# Altium PCB HYDRA_V4_RECOVERY.PcbDoc (part 1 of 2) (continued)
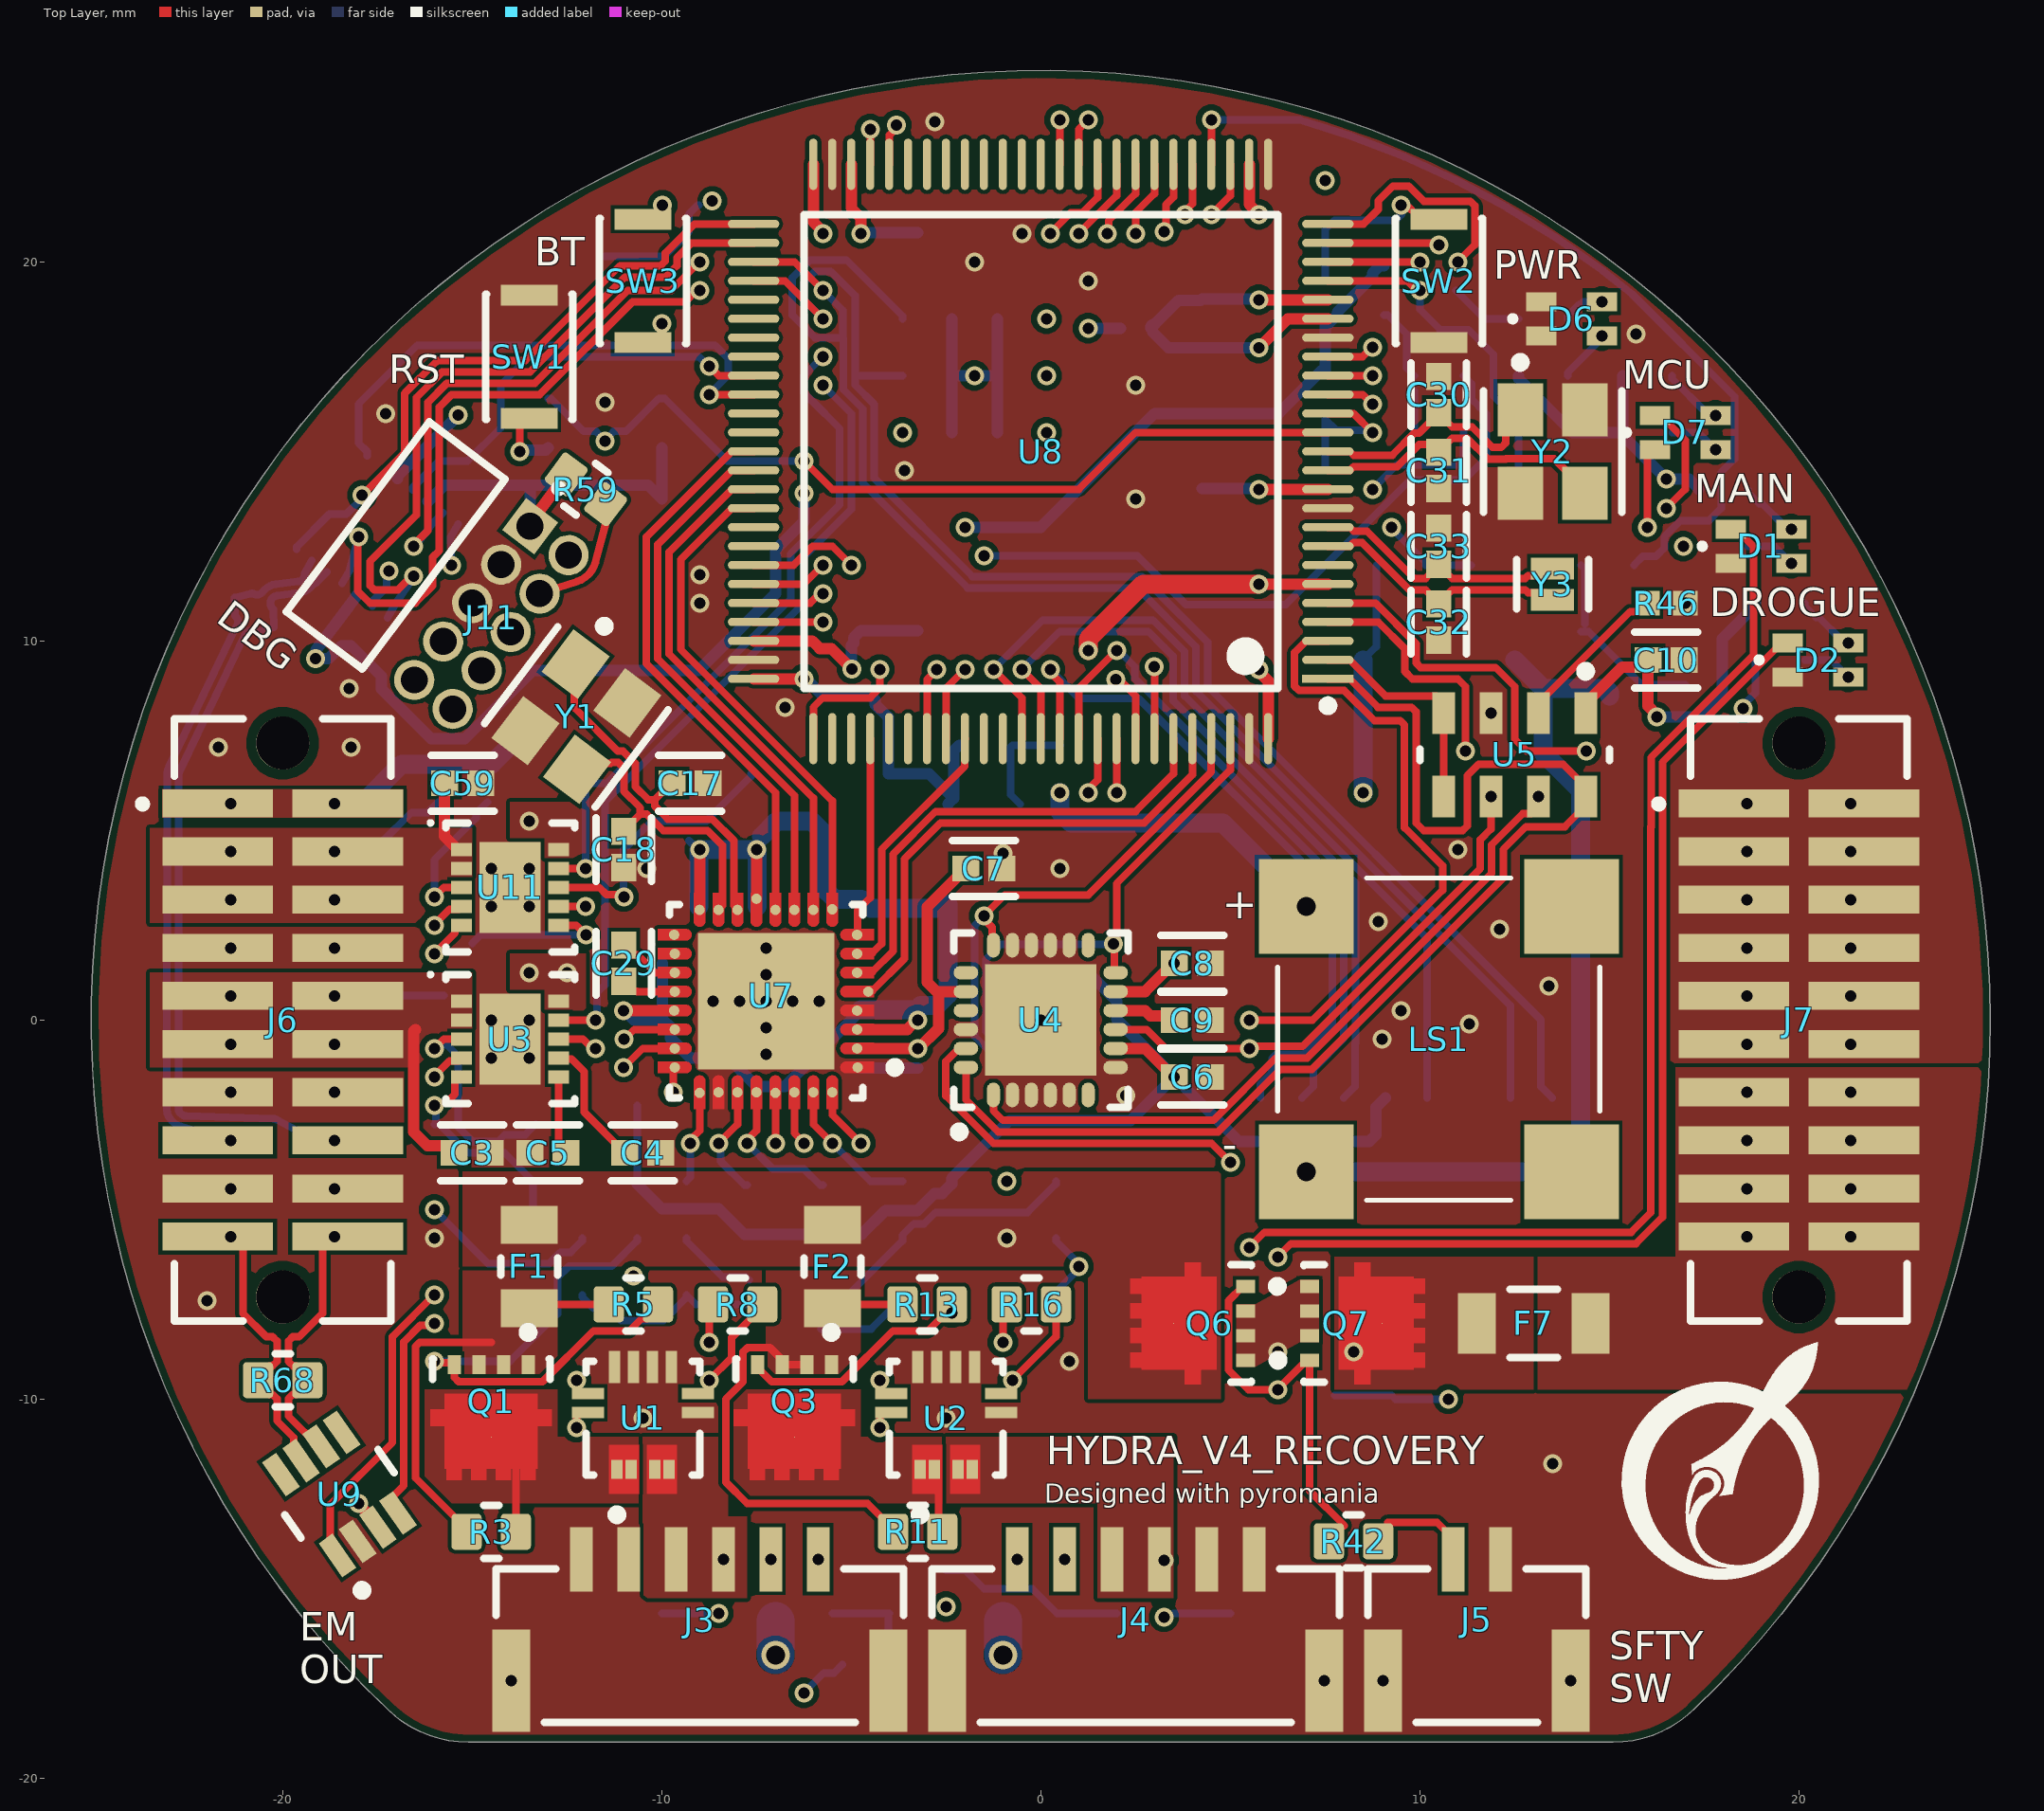
[diagram p0: Top Layer view]
## Footprints (in the part's own frame and the unit in brackets; to place one, negate y for a bottom-side part, rotate by r counter-clockwise, add the part's x,y. Pads: shape width x height; smd on the part's side, far side on the other; paste and mask are expansions set on the pad)
ALEG-EX-12_V [mm] "QFN, 12-Leads, Body 3x3mm, Height 0.8mm"
  rect 0.5x0.3 smd paste-0.5 mask-0.5: 1(-1.348,0.682) 2(-1.348,0.301) 3(-1.348,-0.318) 4(-1.348,-0.699)
  rect 0.3x0.85 smd: 5(0.148,-1.45) 6(0.648,-1.45) 11(0.648,1.45) 12(0.148,1.45)
  rect 0.85x0.3 smd: 7(1.348,-0.75) 8(1.348,-0.25) 9(1.348,0.25) 10(1.348,0.75)
  Top Layer region: -2.002,0.1 -0.702,0.1 -0.702,0.9 -2.002,0.9
  Top Layer region: -2.002,-0.9 -0.702,-0.9 -0.702,-0.1 -2.002,-0.1
  silkscreen extent -2.68,-1.5 1.5,1.5, body extent -1.5,-1.5 1.5,1.5, height 0.81
CMT-8504-100-SMT-TR-Footprint-1 [mm]
  rect 2.5x2.5 smd: 1(3.5,3.5) 2(3.5,-3.5) N(-3.5,-3.5) P(-3.5,3.5)
  silkscreen extent -4.25,-4.25 4.25,4.25, body extent -4.25,-4.28 4.28,4.25, height 4
DIOD-SOT323-3_V [mm] "SOT323, 3-Leads, Body 2.2x1.35mm, Pitch 0.65mm"
  rect 0.9x0.7 smd: 1(-0.95,0.65) 2(-0.95,-0.65) 3(0.95,0)
  silkscreen extent -1.07,-1.1 0.67,1.67, body extent -1.1,-1.1 1.1,1.1, height 1.07
FP-0402-L_1_0_0_05-W_0_5-IPC_A [mm]
  rect 0.715x0.672 smd paste+0 mask+0: 1(-0.479,0) 2(0.479,0)
  silkscreen extent -0.84,-0.74 0.84,0.74, body extent -0.5,-0.25 0.5,0.25, height 0.55
FP-0603L-MFG [mm]
  rect 1x1 smd paste+0 mask+0: 1(-0.9,0) 2(0.9,0)
  silkscreen extent -0.03,-0.5 0.03,0.5, body extent -0.8,-0.4 0.8,0.4, height 0.75
FP-ABM8G-MFG [mm]
  rect 1.4x1.2 smd paste+0 mask+0: 1(-1.1,-0.85) 2(1.1,-0.85) 3(1.1,0.85) 4(-1.1,0.85)
  silkscreen extent -2.47,-1.83 1.6,1.83, body extent -1.9,-1.55 1.9,1.55, height 0.25
FP-BLM15-0_05-MFG [mm]
  rect 0.4x0.5 smd paste+0 mask+0: 1(-0.4,0) 2(0.4,0)
  silkscreen extent -0.53,-0.63 0.52,0.63, body extent -0.5,-0.25 0.5,0.25, height 0.55
FP-CP-32-12-MFG [mm]
  round 0.274 smd paste+0 mask+0: 1(-2.421,1.75) 2(-2.405,1.25) 3(-2.405,0.75) 4(-2.405,0.25) 5(-2.698,-0.25) 6(-2.405,-0.75) 7(-2.405,-1.25) 8(-2.405,-1.75) 9(-1.75,-2.421) 10(-1.25,-2.405) 11(-0.75,-2.405) 12(-0.25,-2.405) 13(0.25,-2.698) 14(0.75,-2.405) 15(1.25,-2.405) 16(1.75,-2.405) 17(2.421,-1.75) 18(2.405,-1.25) 19(2.405,-0.75) 20(2.405,-0.25) 21(2.421,0.25) 22(2.405,0.75) 23(2.405,1.25) 24(2.405,1.75) 25(1.75,2.421) 26(1.25,2.405) 27(0.75,2.405) 28(0.25,2.405) 29(-0.25,2.421) 30(-0.75,2.405) 31(-1.25,2.405) 32(-1.75,2.405)
  rect 3.6x3.6 smd paste-1000 mask+0: 33(0,0)
  Top Layer region: -2.85,1.902 -2.113,1.902 -2.055,1.89 -2.006,1.857 -1.973,1.808 -1.961,1.75 -1.961,1.75 -1.973,1.692 -2.006,1.643 -2.055,1.61 -2.113,1.598 -2.113,1.598 -2.85,1.598
  Top Layer region: -2.85,1.402 -2.113,1.402 -2.055,1.39 -2.006,1.357 -1.973,1.308 -1.961,1.25 -1.961,1.25 -1.973,1.192 -2.006,1.143 -2.055,1.11 -2.113,1.098 -2.113,1.098 -2.85,1.098
  Top Layer region: -2.85,0.902 -2.113,0.902 -2.055,0.89 -2.006,0.857 -1.973,0.808 -1.961,0.75 -1.961,0.75 -1.973,0.692 -2.006,0.643 -2.055,0.61 -2.113,0.598 -2.113,0.598 -2.85,0.598
  Top Layer region: -2.85,0.402 -2.113,0.402 -2.055,0.39 -2.006,0.357 -1.973,0.308 -1.961,0.25 -1.961,0.25 -1.973,0.192 -2.006,0.143 -2.055,0.11 -2.113,0.098 -2.113,0.098 -2.85,0.098
  Top Layer region: -2.85,-0.098 -2.113,-0.098 -2.055,-0.11 -2.006,-0.143 -1.973,-0.192 -1.961,-0.25 -1.961,-0.25 -1.973,-0.308 -2.006,-0.357 -2.055,-0.39 -2.113,-0.402 -2.113,-0.402 -2.85,-0.402
  Top Layer region: -2.85,-0.598 -2.113,-0.598 -2.055,-0.61 -2.006,-0.643 -1.973,-0.692 -1.961,-0.75 -1.961,-0.75 -1.973,-0.808 -2.006,-0.857 -2.055,-0.89 -2.113,-0.902 -2.113,-0.902 -2.85,-0.902
  Top Layer region: -2.85,-1.098 -2.113,-1.098 -2.055,-1.11 -2.006,-1.143 -1.973,-1.192 -1.961,-1.25 -1.961,-1.25 -1.973,-1.308 -2.006,-1.357 -2.055,-1.39 -2.113,-1.402 -2.113,-1.402 -2.85,-1.402
  Top Layer region: -2.85,-1.598 -2.113,-1.598 -2.055,-1.61 -2.006,-1.643 -1.973,-1.692 -1.961,-1.75 -1.961,-1.75 -1.973,-1.808 -2.006,-1.857 -2.055,-1.89 -2.113,-1.902 -2.113,-1.902 -2.85,-1.902
  Top Layer region: 2.85,-1.902 2.113,-1.902 2.055,-1.89 2.006,-1.857 1.973,-1.808 1.961,-1.75 1.961,-1.75 1.973,-1.692 2.006,-1.643 2.055,-1.61 2.113,-1.598 2.113,-1.598 2.85,-1.598
  Top Layer region: 2.85,-1.402 2.113,-1.402 2.055,-1.39 2.006,-1.357 1.973,-1.308 1.961,-1.25 1.961,-1.25 1.973,-1.192 2.006,-1.143 2.055,-1.11 2.113,-1.098 2.113,-1.098 2.85,-1.098
  Top Layer region: 2.85,-0.902 2.113,-0.902 2.055,-0.89 2.006,-0.857 1.973,-0.808 1.961,-0.75 1.961,-0.75 1.973,-0.692 2.006,-0.643 2.055,-0.61 2.113,-0.598 2.113,-0.598 2.85,-0.598
  Top Layer region: 2.85,-0.402 2.113,-0.402 2.055,-0.39 2.006,-0.357 1.973,-0.308 1.961,-0.25 1.961,-0.25 1.973,-0.192 2.006,-0.143 2.055,-0.11 2.113,-0.098 2.113,-0.098 2.85,-0.098
  Top Layer region: 2.85,0.098 2.113,0.098 2.055,0.11 2.006,0.143 1.973,0.192 1.961,0.25 1.961,0.25 1.973,0.308 2.006,0.357 2.055,0.39 2.113,0.402 2.113,0.402 2.85,0.402
  Top Layer region: 2.85,0.598 2.113,0.598 2.055,0.61 2.006,0.643 1.973,0.692 1.961,0.75 1.961,0.75 1.973,0.808 2.006,0.857 2.055,0.89 2.113,0.902 2.113,0.902 2.85,0.902
  Top Layer region: 2.85,1.098 2.113,1.098 2.055,1.11 2.006,1.143 1.973,1.192 1.961,1.25 1.961,1.25 1.973,1.308 2.006,1.357 2.055,1.39 2.113,1.402 2.113,1.402 2.85,1.402
  Top Layer region: 2.85,1.598 2.113,1.598 2.055,1.61 2.006,1.643 1.973,1.692 1.961,1.75 1.961,1.75 1.973,1.808 2.006,1.857 2.055,1.89 2.113,1.902 2.113,1.902 2.85,1.902
  Top Layer region: -1.902,-2.85 -1.902,-2.113 -1.89,-2.055 -1.857,-2.006 -1.808,-1.973 -1.75,-1.961 -1.75,-1.961 -1.692,-1.973 -1.643,-2.006 -1.61,-2.055 -1.598,-2.113 -1.598,-2.113 -1.598,-2.85
  Top Layer region: -1.402,-2.85 -1.402,-2.113 -1.39,-2.055 -1.357,-2.006 -1.308,-1.973 -1.25,-1.961 -1.25,-1.961 -1.192,-1.973 -1.143,-2.006 -1.11,-2.055 -1.098,-2.113 -1.098,-2.113 -1.098,-2.85
  Top Layer region: -0.902,-2.85 -0.902,-2.113 -0.89,-2.055 -0.857,-2.006 -0.808,-1.973 -0.75,-1.961 -0.75,-1.961 -0.692,-1.973 -0.643,-2.006 -0.61,-2.055 -0.598,-2.113 -0.598,-2.113 -0.598,-2.85
  Top Layer region: -0.402,-2.85 -0.402,-2.113 -0.39,-2.055 -0.357,-2.006 -0.308,-1.973 -0.25,-1.961 -0.25,-1.961 -0.192,-1.973 -0.143,-2.006 -0.11,-2.055 -0.098,-2.113 -0.098,-2.113 -0.098,-2.85
  Top Layer region: 0.098,-2.85 0.098,-2.113 0.11,-2.055 0.143,-2.006 0.192,-1.973 0.25,-1.961 0.25,-1.961 0.308,-1.973 0.357,-2.006 0.39,-2.055 0.402,-2.113 0.402,-2.113 0.402,-2.85
  Top Layer region: 0.598,-2.85 0.598,-2.113 0.61,-2.055 0.643,-2.006 0.692,-1.973 0.75,-1.961 0.75,-1.961 0.808,-1.973 0.857,-2.006 0.89,-2.055 0.902,-2.113 0.902,-2.113 0.902,-2.85
  Top Layer region: 1.098,-2.85 1.098,-2.113 1.11,-2.055 1.143,-2.006 1.192,-1.973 1.25,-1.961 1.25,-1.961 1.308,-1.973 1.357,-2.006 1.39,-2.055 1.402,-2.113 1.402,-2.113 1.402,-2.85
  Top Layer region: 1.598,-2.85 1.598,-2.113 1.61,-2.055 1.643,-2.006 1.692,-1.973 1.75,-1.961 1.75,-1.961 1.808,-1.973 1.857,-2.006 1.89,-2.055 1.902,-2.113 1.902,-2.113 1.902,-2.85
  Top Layer region: 1.902,2.85 1.902,2.113 1.89,2.055 1.857,2.006 1.808,1.973 1.75,1.961 1.75,1.961 1.692,1.973 1.643,2.006 1.61,2.055 1.598,2.113 1.598,2.113 1.598,2.85
  Top Layer region: 1.402,2.85 1.402,2.113 1.39,2.055 1.357,2.006 1.308,1.973 1.25,1.961 1.25,1.961 1.192,1.973 1.143,2.006 1.11,2.055 1.098,2.113 1.098,2.113 1.098,2.85
  Top Layer region: 0.902,2.85 0.902,2.113 0.89,2.055 0.857,2.006 0.808,1.973 0.75,1.961 0.75,1.961 0.692,1.973 0.643,2.006 0.61,2.055 0.598,2.113 0.598,2.113 0.598,2.85
  Top Layer region: 0.402,2.85 0.402,2.113 0.39,2.055 0.357,2.006 0.308,1.973 0.25,1.961 0.25,1.961 0.192,1.973 0.143,2.006 0.11,2.055 0.098,2.113 0.098,2.113 0.098,2.85
  Top Layer region: -0.098,2.85 -0.098,2.113 -0.11,2.055 -0.143,2.006 -0.192,1.973 -0.25,1.961 -0.25,1.961 -0.308,1.973 -0.357,2.006 -0.39,2.055 -0.402,2.113 -0.402,2.113 -0.402,2.85
  Top Layer region: -0.598,2.85 -0.598,2.113 -0.61,2.055 -0.643,2.006 -0.692,1.973 -0.75,1.961 -0.75,1.961 -0.808,1.973 -0.857,2.006 -0.89,2.055 -0.902,2.113 -0.902,2.113 -0.902,2.85
  Top Layer region: -1.098,2.85 -1.098,2.113 -1.11,2.055 -1.143,2.006 -1.192,1.973 -1.25,1.961 -1.25,1.961 -1.308,1.973 -1.357,2.006 -1.39,2.055 -1.402,2.113 -1.402,2.113 -1.402,2.85
  Top Layer region: -1.598,2.85 -1.598,2.113 -1.61,2.055 -1.643,2.006 -1.692,1.973 -1.75,1.961 -1.75,1.961 -1.808,1.973 -1.857,2.006 -1.89,2.055 -1.902,2.113 -1.902,2.113 -1.902,2.85
  silkscreen extent -3.53,-2.55 2.55,2.55, body extent -2.95,-2.95 2.95,2.95, height 0.25
FP-DCN0008A-MFG [mm]
  rect 1.1x0.45 smd paste+0 mask+0: 1(-1.3,0.975) 2(-1.3,0.325) 3(-1.3,-0.325) 4(-1.3,-0.975) 5(1.3,-0.975) 6(1.3,-0.325) 7(1.3,0.325) 8(1.3,0.975)
  silkscreen extent -2.55,-1.5 0.38,1.5, body extent -1.95,-1.85 1.95,1.85, height 0.25
FP-ECX-1210-MFG [mm]
  rect 0.575x1.14 smd paste+0 mask+0: 1(-0.413,0) 2(0.413,0)
  silkscreen extent -0.65,-0.95 0.65,0.95, body extent -0.8,-0.67 0.8,0.67, height 0.25
FP-GRM188-0_1-e0_2_0_55-IPC_A [mm]
  rect 1.208x1.012 smd paste+0 mask+0: 1(-0.802,0) 2(0.802,0)
  silkscreen extent -1.41,-0.91 1.41,0.91, body extent -0.8,-0.4 0.8,0.4, height 0.9
FP-KXT331LHS-MFG [mm]
  rect 0.55x1.5 smd paste+0 mask+0: 1(-1.625,0) 2(1.625,0)
  silkscreen extent -1.65,-1.15 1.65,1.15, body extent -2,-1.25 2,1.25, height 0.25
FP-LQFP100-1L-IPC_C [mm]
  rect 1.355x0.212 smd paste+0 mask+0: 1(-7.575,6)
  rrect100% 1.355x0.212 smd paste+0 mask+0: 2(-7.575,5.5) 3(-7.575,5) 4(-7.575,4.5) 5(-7.575,4) 6(-7.575,3.5) 7(-7.575,3) 8(-7.575,2.5) 9(-7.575,2) 10(-7.575,1.5) 11(-7.575,1) 12(-7.575,0.5) 13(-7.575,0) 14(-7.575,-0.5) 15(-7.575,-1) 16(-7.575,-1.5) 17(-7.575,-2) 18(-7.575,-2.5) 19(-7.575,-3) 20(-7.575,-3.5) 21(-7.575,-4) 22(-7.575,-4.5) 23(-7.575,-5) 24(-7.575,-5.5) 25(-7.575,-6) 51(7.575,-6) 52(7.575,-5.5) 53(7.575,-5) 54(7.575,-4.5) 55(7.575,-4) 56(7.575,-3.5) 57(7.575,-3) 58(7.575,-2.5) 59(7.575,-2) 60(7.575,-1.5) 61(7.575,-1) 62(7.575,-0.5) 63(7.575,0) 64(7.575,0.5) 65(7.575,1) 66(7.575,1.5) 67(7.575,2) 68(7.575,2.5) 69(7.575,3) 70(7.575,3.5) 71(7.575,4) 72(7.575,4.5) 73(7.575,5) 74(7.575,5.5) 75(7.575,6)
  rrect100% 0.212x1.355 smd paste+0 mask+0: 26(-6,-7.575) 27(-5.5,-7.575) 28(-5,-7.575) 29(-4.5,-7.575) 30(-4,-7.575) 31(-3.5,-7.575) 32(-3,-7.575) 33(-2.5,-7.575) 34(-2,-7.575) 35(-1.5,-7.575) 36(-1,-7.575) 37(-0.5,-7.575) 38(0,-7.575) 39(0.5,-7.575) 40(1,-7.575) 41(1.5,-7.575) 42(2,-7.575) 43(2.5,-7.575) 44(3,-7.575) 45(3.5,-7.575) 46(4,-7.575) 47(4.5,-7.575) 48(5,-7.575) 49(5.5,-7.575) 50(6,-7.575) 76(6,7.575) 77(5.5,7.575) 78(5,7.575) 79(4.5,7.575) 80(4,7.575) 81(3.5,7.575) 82(3,7.575) 83(2.5,7.575) 84(2,7.575) 85(1.5,7.575) 86(1,7.575) 87(0.5,7.575) 88(0,7.575) 89(-0.5,7.575) 90(-1,7.575) 91(-1.5,7.575) 92(-2,7.575) 93(-2.5,7.575) 94(-3,7.575) 95(-3.5,7.575) 96(-4,7.575) 97(-4.5,7.575) 98(-5,7.575) 99(-5.5,7.575) 100(-6,7.575)
  silkscreen extent -7.7,-6.25 6.25,6.83, body extent -8.35,-8.35 8.35,8.35, height 0.25
FP-MF-FSMF-MFG [mm]
  rect 0.7x1 smd paste+0 mask+0: 1(-0.85,0) 2(0.85,0)
  silkscreen extent -0.13,-0.53 0.13,0.53, body extent -0.83,-0.41 0.82,0.44, height 1
FP-MF-NSMF012-2-MFG [mm]
  rect 1x1.6 smd paste+0 mask+0: 1(-1.5,0) 2(1.5,0)
  silkscreen extent -0.63,-0.9 0.63,0.9, body extent -2.1,-1 2.1,1, height 0.25
FP-MF-PSMF-MFG [mm]
  rect 1x1.5 smd paste+0 mask+0: 1(-1.1,0) 2(1.1,0)
  silkscreen extent -0.23,-0.75 0.23,0.75, body extent -1.7,-0.85 1.7,0.85, height 0.25
FP-SM02B-GHS-TB_LF_SN-MFG [mm]
  rect 0.6x1.7 smd paste+0 mask+0: 1(-0.625,2.275) 2(0.625,2.275)
  rect 1x2.7 smd paste+0 mask+0: 3(-2.475,-0.925) 4(2.475,-0.925)
  silkscreen extent -2.88,-2.02 2.88,2.02, body extent -3.08,-2.37 3.08,3.22, height 0.25
FP-SM06B-GHS-TB_LF_SN-MFG [mm]
  rect 0.6x1.7 smd paste+0 mask+0: 1(-3.125,2.275) 2(-1.875,2.275) 3(-0.625,2.275) 4(0.625,2.275) 5(1.875,2.275) 6(3.125,2.275)
  rect 1x2.7 smd paste+0 mask+0: 7(-4.975,-0.925) 8(4.975,-0.925)
  silkscreen extent -5.38,-2.02 5.38,2.02, body extent -5.58,-2.37 5.58,3.22, height 0.25
FP-SSOP6-P-0_65A-MFG [mm]
  rect 0.8x0.4 smd paste+0 mask+0: 1(-0.95,0.65) 2(-0.95,0) 3(-0.95,-0.65) 4(0.95,-0.65) 5(0.95,0) 6(0.95,0.65)
  silkscreen extent -2.05,-1.1 0.18,1.1, body extent -1.05,-1 1.05,1, height 1
FTSH-105-01-F-D-RA-K-Footprint-1 [mm]
  rect 1.06x1.06 hole 0.71: 01(2.54,0)
  round 1.06 hole 0.71: 02(2.54,-1.27) 03(1.27,0) 04(1.27,-1.27) 05(0,0) 06(0,-1.27) 07(-1.27,0) 08(-1.27,-1.27) 09(-2.54,0) 10(-2.54,-1.27)
  silkscreen extent -3.14,-0.1 3.88,3.78, body extent -3.14,-1.54 3.14,6.92, height 5.04
MOLX-47219-2001-8_V [mm] "CONN, 8-Leads, Body 14.5x13.6mm, Pitch 1.1mm"
  rect 0.8x1.5 smd: 1(-3.205,1.55) 2(-2.105,1.55) 3(-1.005,1.55) 4(0.095,1.55) 5(1.195,1.55) 6(2.295,1.55) 7(3.395,1.55) 8(4.495,1.55)
  rect 1.45x2 smd: 9(6.875,4.15) 10(6.875,-4.15) 11(-6.875,-4.15) 12(-6.875,4.15)
  silkscreen extent -6.8,-7.8 6.8,7.42, body extent -7.3,-7.79 7.3,6.71, height 1.91
MSI-MS561101BA03-50-8_V [mm] "SMD, 8-Leads, Body 5x3mm, Pitch 1.25mm"
  rect 1.1x0.6 smd: 1(-1.1,1.875) 2(-1.1,0.625) 3(-1.1,-0.625) 4(-1.1,-1.875) 5(1.1,-1.875) 6(1.1,-0.625) 7(1.1,0.625) 8(1.1,1.875)
  silkscreen extent -2.32,-2.5 0.15,2.5, body extent -1.5,-2.5 1.5,2.5, height 1
ONSC-SMA-2-403D-02_V [mm] "Molded, 2-Leads, Body 4.57x2.92mm"
  rect 2x2 smd: 1(-2,0) 2(2,0)
  silkscreen extent -3.67,-1.3 0.74,1.3, body extent -2.16,-1.3 2.16,1.3, height 2.2
ONSC-SOD-523-2-502-01_V [mm] "SOD, 2-Leads, Body 1.2x0.8mm"
  rect 0.48x0.4 smd: 1(-0.66,0) 2(0.66,0)
  silkscreen extent -0.75,-0.4 0.07,0.65, body extent -0.6,-0.4 0.6,0.4, height 0.7
PQFN50P450X450X115_HS-25N [mm] "PQFN, 24-Leads, Body 4.50x4.50mm, Pitch 0.50mm, Thermal Pad 2.94x2.94mm, IPC Medium Density"
  oval 0.65x0.35 smd: 1(-1.975,1.25) 2(-1.975,0.75) 3(-1.975,0.25) 4(-1.975,-0.25) 5(-1.975,-0.75) 6(-1.975,-1.25) 13(1.975,-1.25) 14(1.975,-0.75) 15(1.975,-0.25) 16(1.975,0.25) 17(1.975,0.75) 18(1.975,1.25)
  oval 0.35x0.65 smd: 7(-1.25,-1.975) 8(-0.75,-1.975) 9(-0.25,-1.975) 10(0.25,-1.975) 11(0.75,-1.975) 12(1.25,-1.975) 19(1.25,1.975) 20(0.75,1.975) 21(0.25,1.975) 22(-0.25,1.975) 23(-0.75,1.975) 24(-1.25,1.975)
  rect 2.94x2.94 smd: 25(0,0)
  silkscreen extent -3.07,-2.3 2.3,2.3, body extent -2.3,-2.3 2.3,2.3, height 1.15
PSON50P300X100_HS-11N [mm] "PSON, 10-Leads, Body 3.00x3.00mm, Pitch 0.50mm, Thermal Pad 2.40x1.62mm, IPC Medium Density"
  rect 0.55x0.35 smd: 1(-1.285,1) 2(-1.285,0.5) 3(-1.285,0) 4(-1.285,-0.5) 5(-1.285,-1) 6(1.285,-1) 7(1.285,-0.5) 8(1.285,0) 9(1.285,0.5) 10(1.285,1)
  rect 1.62x2.4 smd: 11(0,0)
  silkscreen extent -2.15,-1.7 1.7,1.75, body extent -1.55,-1.55 1.55,1.55, height 1
R0603B [mm] "Chip Resistor, 0603, 2-Leads, Body 1.58x0.85mm, IPC Medium Density"
  rrect25% 0.8x0.95 smd: 1(-0.65,0) 2(0.65,0)
  silkscreen extent -0.2,-0.7 0.2,0.7, body extent -0.82,-0.48 0.82,0.48, height 0.5
RESC1005X40X25ML05T05 [mm] "Chip Resistor, 2-Leads, Body 1.00x0.50mm, IPC Low Density"
  rect 0.65x0.65 smd: 1(-0.5,0) 2(0.5,0)
  body extent -0.53,-0.27 0.53,0.28, height 0.4
SFML-110-02-L-D-A-Footprint-1 [mm]
  rect 0.74x2.22 smd: 01(-5.715,1.365) 02(-5.715,-1.365) 03(-4.445,1.365) 04(-4.445,-1.365) 05(-3.175,1.365) 06(-3.175,-1.365) 07(-1.905,1.365) 08(-1.905,-1.365) 09(-0.635,1.365) 10(-0.635,-1.365) 11(0.635,1.365) 12(0.635,-1.365) 13(1.905,1.365) 14(1.905,-1.365) 15(3.175,1.365) 16(3.175,-1.365) 17(4.445,1.365) 18(4.445,-1.365) 19(5.715,1.365) 20(5.715,-1.365)
  round 1.4 hole 1.4 unplated: ""(-7.305,0) ""(7.305,0)
  silkscreen extent -6.54,-1.53 6.54,3.17, body extent -7.94,-2.04 7.94,2.16, height 4.57
SISH615ADN-T1-GE3-Footprint-1 [mm]
  rect 0.35x0.5 smd paste+0 mask+0: 1(-0.937,-1.4) 2(-0.288,-1.4) 3(0.363,-1.4) 4(1.012,-1.4)
  round 0.025 smd mask+0: 5-6-7-8(0.038,0.51)
  Top Layer region: -1.187,-0.63 -1.187,-0.215 -1.568,-0.215 -1.568,0.215 -1.187,0.215 -1.187,1.35 -1.137,1.35 -1.137,1.65 -0.737,1.65 -0.737,1.35 -0.487,1.35 -0.487,1.65 -0.088,1.65 -0.088,1.35 0.163,1.35 0.163,1.65 0.563,1.65 0.563,1.35 0.813,1.35 0.813,1.65 1.212,1.65 1.212,1.35 1.262,1.35 1.262,0.215 1.643,0.215 1.643,-0.215 1.262,-0.215 1.262,-0.63
  silkscreen extent -1.51,-2.37 1.59,-1.01, body extent -1.67,-1.75 1.74,1.75, height 0.25
SOT-23-OT5_M [mm] "SOT23, 5-Leads, Body 2.9x1.7mm, Pitch 0.95mm, Lead Span 2.8mm, IPC Low Density"
  rect 1.3x0.7 smd: 1(-1.2,0.95) 2(-1.2,0) 3(-1.2,-0.95) 4(1.2,-0.95) 5(1.2,0.95)
  silkscreen extent -1.32,-1.55 0.15,1.97, body extent -0.9,-1.55 0.9,1.55, height 1.45
TCAN1146DYYRQ1-Footprint-1 [mil]
  rect 38.5x12 smd paste+0 mask+0: 1(-60.75,59.07) 2(-60.75,39.38) 3(-60.75,19.69) 4(-60.75,0) 5(-60.75,-19.69) 6(-60.75,-39.38) 7(-60.75,-59.07) 8(60.75,-59.07) 9(60.75,-39.38) 10(60.75,-19.69) 11(60.75,0) 12(60.75,19.69) 13(60.75,39.38) 14(60.75,59.07)
  silkscreen extent -47,-90 100,90, body extent -66,-84 66,84, height 43
TFML-110-02-L-D-A-Footprint-1 [mm]
  rect 0.74x2.92 smd: 01(-5.715,-1.715) 02(-5.715,1.715) 03(-4.445,-1.715) 04(-4.445,1.715) 05(-3.175,-1.715) 06(-3.175,1.715) 07(-1.905,-1.715) 08(-1.905,1.715) 09(-0.635,-1.715) 10(-0.635,1.715) 11(0.635,-1.715) 12(0.635,1.715) 13(1.905,-1.715) 14(1.905,1.715) 15(3.175,-1.715) 16(3.175,1.715) 17(4.445,-1.715) 18(4.445,1.715) 19(5.715,-1.715) 20(5.715,1.715)
  round 1.4 hole 1.4 unplated: ""(-7.305,0) ""(7.305,0)
  silkscreen extent -7.94,-3.8 7.94,2.86, body extent -7.94,-2.92 7.94,2.92, height 5.59
WL-SBCD_0606 [mm] "SMT Bi-color Chip LED Diffuesed, body 1.5x1.6mm"
  rect 0.5x0.8 smd: 1(-0.45,0.8) 2(-0.45,-0.8) 3(0.45,-0.8) 4(0.45,0.8)
  silkscreen extent -0.07,1.47 0.07,1.62, body extent -0.75,-0.8 0.75,0.8, height 0.55

## Part data
C1 C2 C3 C4 C5 C6 C7 C8 C9 C10 C11 C13 C14 C15 C17 C18 C19 C20 C21 C22 C23 C24 C25 C26 C27 C28 C29 C30 C31 C32 C33 C34 C35 C36 C37 C38 C39 C40 C41 C42 C43 C44 C45 C46 C47 C48 C49 C50 C51 C52 C53 C54 C55 C56 C57 C58 C59 C60 C61: library part CMP-001-00058-1, "LARGE PADS, 0402 CAP, CHANGE COMMENT TO MATCH REAL P/N", Capacitor Type=Ceramic, Case/Package=0402, Max Operating Temperature=85°C, Min Operating Temperature=-55°C, Mounting Technology="Surface Mount", Pins=2, RoHS Compliant=Yes
C12: library part CMP-2006-02792-2, "Chip Multilayer Ceramic Capacitors for General Purpose, 0603, 10uF, X5R, 15%, 20%, 6.3V", Capacitance=10uF, Case Code (Imperial)=0603, Case Code (Metric)=1608, Dielectric=X5R, Max Operating Temperature=85°C, Min Operating Temperature=-55°C, Package Quantity=4000, Tolerance=20%, Voltage=6.3V, Case/Package=0603, Depth=0.8mm, Height=0.8mm, Lead Free="Lead Free", Length=1.6mm, Material=Ceramic, Mount="Surface Mount", Packaging="Tape and Reel", Radiation Hardening=No, REACH SVHC="No SVHC", Termination=SMD/SMT, Thickness=0.035inch, Voltage Rating=6.3V, Voltage Rating (DC)=6.3V, Width=0.031inch
D1 D2 D6 D7: library part CMP-004-00040-2, "Led, Red/Grn, 180Mcd/230Mcd, 624Nm/525Nm Rohs Compliant: Yes", Component Type=Standard, Design Item ID=CMP-004-00034-2, Pins=4, Source=rgled.SchLib
D3: library part CMP-1055-00320-1, "Schottky Power Rectifier, 2-Pin SMA, Pb-Free, Tape and Reel", Manufacturer="On Semiconductor", ComponentLink1Description="Manufacturer URL", ComponentLink1URL=http://www.onsemi.com/, ComponentLink2Description=Datasheet, ComponentLink2URL=http://www.onsemi.cn/pub_link/Collateral/MBRA140T3-D.PDF, ComponentLink3Description="Package Specification", ComponentLink3URL=http://www.onsemi.com/pub_link/Collateral/403D-02.PDF, Configuration=Single, DatasheetVersion="Rev. 10", IFSM Max (A)=30, Mounting Technology="Surface Mount", PackageDescription="2-Pin Small Molded Package, J-Bend Lead, Body 2.605 x 4.315 mm", PackageReference=SMA-2-403D-02, PackageVersion="Rev. G, 07/2012", Packing="Tape and Reel", PartNumber=MBRA140T3G, RoHS=TRUE
D4: library part CMP-1060-00750-1, "Zener Voltage Regulator, 500 mW, 2-Pin SOD-523, Pb-Free, Tape and Reel", Manufacturer="On Semiconductor", ComponentLink1Description="Manufacturer URL", ComponentLink1URL=http://www.onsemi.com/, ComponentLink2Description=Datasheet, ComponentLink2URL=http://www.onsemi.cn/pub_link/Collateral/MM5Z2V4T1-D.PDF, ComponentLink3Description="Package Specification", ComponentLink3URL=http://www.onsemi.com/pub_link/Collateral/502-01.PDF, DatasheetVersion="Rev. 10", Mounting Technology="Surface Mount", P Max (W)=0.5, PackageDescription="2-Pin SOD, Body 1.2 x 0.8 mm", PackageReference=SOD-523-2-502-01, PackageVersion="Rev. E, 09/2010", Packing="Tape and Reel", PartNumber=MM5Z3V3T1G, RoHS=Pb-Free, VZ Typ (V)=3.3
F1 F2: library part CMP-07400-000017-1, Ambient Temperature Range High=+85°C, Ambient Temperature Range Low=-40°C, Current Rating=40A, Hold Current=0.1A, Manufacturer="Bourns Inc.", Manufacturer Part Number=MF-PSMF010X-2, Package=MF-PSMF, Resistance=1-7.5Ω, Temperature="-40°C to +85°C", Trip Current=0.3A, Voltage Rating=15V, Automotive=No, Category=Fuse, ComponentLink2Description=Datasheet, ComponentLink2URL=https://www.bourns.com/docs/Product-Datasheets/mfpsmf.pdf, Device Class L1="Circuit Protection", Device Class L2="PTC Resettable Fuses", Device Class L3=unset, Digikey Description="PTC RESET FUSE 15V 100MA 0805", Height=0.85mm, Ipc Land Pattern Name=CAPC215135X67, Lead Free=Yes, Mouser Description="Resettable Fuses - PPTC 0.10A 15V 1ohm", Octopart=https://octopart.com/mf-psmf010x-2-bourns-7483441, RoHS=TRUE, Temperature Range High=+85°C, Temperature Range Low=-40°C, Trip Time=1.5s
F3 F4: library part CMP-07400-000010-1, "PTC RESET FUSE 6V 500MA 0603", Ambient Temperature Range High=+85°C, Ambient Temperature Range Low=-40°C, Current Rating=40A, Hold Current=0.5A, Manufacturer="Bourns Inc.", Package=MF-FSMF, Resistance=0.1-0.8Ω, Temperature="-40°C to +85°C", Trip Current=1A, Voltage Rating=6V, Automotive=No, Category=Fuse, ComponentLink2Description=Datasheet, ComponentLink2URL=https://www.bourns.com/docs/Product-Datasheets/mffsmf.pdf, Device Class L1="Circuit Protection", Device Class L2="PTC Resettable Fuses", Device Class L3=unset, Digikey Description="PTC RESET FUSE 6V 500MA 0603", Height=1mm, Lead Free=Yes, Manufacturer Part Number=MF-FSMF050X-2, Mouser Description="Resettable Fuses - PPTC 6volts 40amps", Octopart=https://octopart.com/mf-fsmf050x-2-bourns-10470804, RoHS=TRUE, Temperature Range High=+85°C, Temperature Range Low=-40°C, Trip Time=0.1s
F6: library part CMP-08606-000025-1, "PTC RESET FUSE 15V 100MA 0603", Ambient Temperature Range High=+85°C, Ambient Temperature Range Low=-40°C, Current Rating=40A, Hold Current=0.1A, Manufacturer="Littelfuse Inc", Package=0603L, Resistance=0.9-6Ω, Temperature="-40°C to +85°C", Trip Current=0.3A, Voltage Rating=15V, Automotive=No, Category=Fuse, ComponentLink2Description=Datasheet, ComponentLink2URL=https://www.littelfuse.com/~/media/electronics/datasheets/resettable_ptcs/littelfuse_ptc_0603l_datasheet.pdf.pdf, Device Class L1="Circuit Protection", Device Class L2="PTC Resettable Fuses", Device Class L3=unset, Digikey Description="PTC RESET FUSE 15V 100MA 0603", Height=0.75mm, Lead Free=Yes, Manufacturer Part Number=0603L010YR, Mouser Description="Resettable Fuses - PPTC PTC 15V 0603 .100A POLY SURF MOUNT", Octopart=https://octopart.com/0603l010yr-littelfuse-8316166, RoHS=TRUE, Temperature Range High=+85°C, Temperature Range Low=-40°C, Trip Time=1s
F7: library part CMP-07400-000025-1, Ambient Temperature Range High=+85°C, Ambient Temperature Range Low=-40°C, Current Rating=10A, Hold Current=0.12A, Manufacturer="Bourns Inc.", Manufacturer Part Number=MF-NSMF012-2, Resistance=1.35-8.5Ω, Temperature="-40°C to +85°C", Trip Current=0.29A, Voltage Rating=30V, Automotive=Yes, Automotive Grade="Grade 3", Category=Fuse, ComponentLink2Description=Datasheet, ComponentLink2URL=https://www.bourns.com/docs/Product-Datasheets/mfnsmf.pdf, Device Class L1="Circuit Protection", Device Class L2="PTC Resettable Fuses", Device Class L3=unset, Digikey Description="PTC RESET FUSE 30V 120MA 1206", Height=1.1mm, Lead Free=Yes, Mouser Description="Resettable Fuses - PPTC 0.12A 30V 1.35ohm", Octopart=https://octopart.com/mf-nsmf012-2-bourns-24569, Package=MF-NSMF012-2, RoHS=TRUE, Temperature Range High=+85°C, Temperature Range Low=-40°C, Trip Time=0.2s
FB1: library part CMP-0686-00252-4, "Chip Ferrite Bead, 0402, 600Ω @ 100MHz, 0.23Ω, 25%, 900mA", Case Code (Imperial)=0402, Case Code (Metric)=1005, Current Rating=900mA, DC Resistance (DCR)=230mR, Max Operating Temperature=125°C, Min Operating Temperature=-55°C, Package Quantity=10000, Test Frequency=100MHz, Tolerance=25%, Case/Package=0402, Height=0.5mm, Impedance=600R, Lead Free="Lead Free", Length=1mm, Material=Steel, Max Current Rating=900mA, Max DC Current=900mA, Number of Circuits=1, Number of Lines=1, Number of Pins=2, Packaging="Tape and Reel", Termination=SMD/SMT, Width=0.5mm
J1 J2: library part CMP-002-00043-1, "Board Connector, 20 Contact(s), 2 Row(s), Female, Straight, 0.05 inch Pitch, Surface Mount Terminal, Locking, Black Insulator, Socket", Connector Type="BOARD CONNECTOR", Mounting Technology=Board, RoHS Compliant=Yes
J3 J4: library part CMP-002-00082-1, "Conn Shrouded Header HDR 6 POS 1.25mm Solder RA Side Entry SMD T/R"
J5: library part CMP-002-00083-1, "MCU 32-bit LPC1800 ARM Cortex M3 RISC 768KB Flash 3.3V 100-Pin TFBGA Tray"
J6 J7: library part CMP-002-00042-3, "Board Connector, 20 Contact(s), 2 Row(s), Male, Straight, Surface Mount Terminal", Connector Type="BOARD CONNECTOR", Mounting Technology=Board, RoHS Compliant=Yes
J11: library part CMP-002-00041-5, "Board Connector, 10 Contact(s), 2 Row(s), Male, Right Angle, 0.05 inch Pitch, Surface Mount Terminal, Locking, Black Insulator", Connector Type="BOARD CONNECTOR", Mounting Technology=Board, RoHS Compliant=Yes
LS1: library part CMP-00030-00002-1, "8.5 mm, 5 Vo-p, 100 dB, Surface Mount (SMT), Magnetic Audio Transducer Buzzer"
Q1 Q3 Q6 Q7: library part CMP-013-00018-2, "Trans MOSFET P-CH 20V 22.1A 8-Pin PowerPAK 1212 EP T/R", Component Type=Standard, Design Item ID=CMP-013-00036-4, Pins=5, Source=SISH615ADN-T1-GE3.SchLib
Q2: library part CMP-35916-000009-1, "MOSFET 2N-CH 60V 0.3A", Continuous Drain Current (ID)=300mA, Drain to Source Voltage (Vdss)=60V, Input Capacitance=40pF, Max Power Dissipation=285mW, FET Type="2 N-Channel", Mount="Surface Mount", Packaging="Tape and Reel", Rds On Max=1.5R
Q4: library part CMP-2000-05968-1, "N-Channel Enhancement Mode Mosfet, 50 V, 200 mA, -55 to 150 degC, 6-Pin SOT-323, RoHS, Tape and Reel", Id - Continuous Drain Current=200mA, Manufacturer=DiodesIncorporated, Maximum Operating Temperature=+150C, Minimum Operating Temperature=-55C, Package / Case=SOT-323-3, Package Description="3-Pin Small Outline Transistor, Body 2 x 1.25 mm, Pitch 0.65 mm", Package Reference=SOT323, Pd - Power Dissipation=200mW, Rds On - Drain-Source Resistance=1.4Ohms, Vds - Drain-Source Breakdown Voltage=75V, Vgs - Gate-Source Voltage=20V, Brand=DiodesIncorporated, Channel Mode=Enhancement, Configuration=Single, Datasheet URL=http://www.diodes.com/_files/datasheets/ds30206.pdf, Datasheet Version="Rev. 11-2, 09/2013", Factory Pack Quantity=3000, Forward Transconductance - Min=0.1S, Height=1mm, Length=2.2mm, Manufacturer URL=http://www.diodes.com/, Mounting Style=SMD/SMT, Mounting Technology=SurfaceMount, Number of Channels=1Channel, Packaging=Reel, Product=MOSFETSmallSignal, Product Category=MOSFET, RoHS=True, Series=BSS138, Technology=Si, Transistor Polarity=N-Channel, Transistor Type=1N-Channel, Type=EnhancementModeFieldEffectTransistor, Typical Turn-Off Delay Time=20ns, Typical Turn-On Delay Time=20ns, Unit Weight=0.000212oz, Width=1.35mm
Q8: library part CMP-2000-06170-1, "P-Channel Enhancement Mode MOSFET, 310 mW, 20 V, -55 to 150 degC, 3-Pin SOT-323, RoHS, Tape and Reel", Drain-Source On Resistance-Max=750mO, Drain-to-Source Voltage [Vdss]=20V, Manufacturer="Diodes Inc", Package Description="3-Pin Small Outline Transistor, Body 2 x 1.25 mm, Pitch 0.65 mm", Package Reference=SOT323, Rated Power Dissipation=310mW, Channel Type=P-Channel, Datasheet URL=http://www.diodes.com/_files/datasheets/ds31861.pdf, Datasheet Version="Rev. 3-2, 09/2013", Manufacturer URL=http://www.diodes.com/, Mounting Technology=SurfaceMount, Qg Gate Charge=0.622nC
R1 R2 R3 R4 R5 R6 R7 R8 R9 R10 R11 R12 R13 R14 R15 R16 R17 R18 R19 R20 R21 R22 R23 R24 R25 R26 R27 R28 R29 R30 R31 R32 R33 R34 R35 R36 R37 R38 R39 R40 R41 R42 R43 R44 R45 R48 R49 R50 R51 R52 R53 R55 R56 R57 R58 R59 R60 R61 R62 R63 R64 R65 R66 R67 R68 R69 R70 R71 R72 R73 R74 R75 R76 R77 R78 R79 R80: library part CMP-009-00002-14, "Resistor"
R46: library part CMP-009-00118-2, "READ THE NAME", Component Type=Standard, Design Item ID=CMP-009-00206-2, Pins=2, Source=0402jump.SchLib
SD1: library part CMP-2000-05245-1, "MicroSD Card Connector, Hinge Type, -40 to 85 degC, 8-Pin SMD, RoHS, Tape and Reel", Current Rating=500mA, Manufacturer=Molex, Voltage Rating=100VDC, Brand=Molex, Card Type=microSD, Contact Material=CopperAlloy, Datasheet URL=http://www.molex.com/pdm_docs/sd/472192001_sd.pdf, Datasheet Version="Rev. F, 06/2009", Factory Pack Quantity=2400, Housing Material=Thermoplastic, Insertion - Extraction Style=Hinged, Manufacturer URL=http://www.molex.com/, Mounting Style=SMD/SMT, Number of Contacts=8, Packaging=Reel, Pitch=1.09mm, Product=CardConnectors, Product Category=MemoryCardConnectors, RoHS=Details, Series=47219, Termination Style=SMD
SW1 SW2 SW3: library part CMP-10040-000029-1, "SWITCH TACTILE SPST-NO 0.02A 15V", Current Rating=5A, Flammability Rating="UL94 V-0", Insulation Color=Black, Max Operating Temperature=85°C, Min Operating Temperature=-40°C, Operating Force=240gf, Actuator Type=Standard, Connector Type=USB, Contact Plating=Gold, Gender=Receptacle, Illumination Type=Non-Illuminated, Mechanical Life=500000Cycles, Mount="Surface Mount", Number of Contacts=24, Number of Ports=1, Packaging="Tape and Reel", Switch Function=Off-Mom, Switch Travel=0.13mm, Termination=Solder, Throw Configuration=SPST
U1 U2: library part CMP-1557-00001-1, "Hall Effect Linear Current Sensor with Overcurrent Fault Output for <100 V Isolation Applications, 3 to 5.5 V, -15.5 to 15.5 A IP, -40 to 125 degC, 12-Pin QFN (EX), RoHS, Tape and Reel", Temperature Max="125 degC", Temperature Min="-40 degC", -3db Bandwidth="0.1 MHz", ComponentLink1Description="Manufacturer URL", ComponentLink1URL=http://www.allegromicro.com/, ComponentLink2Description=Datasheet, ComponentLink2URL=http://www.allegromicro.com/~/media/Files/Datasheets/ACS711-Datasheet.ashx?la=en, ComponentLink3Description="Package Specification", ComponentLink3URL=http://www.allegromicro.com/~/media/Files/Datasheets/ACS711-Datasheet.ashx?la=en, DatasheetVersion="Rev. 3", IP Max="15.5 A", IP Min="-15.5 A", Mounting Technology="Surface Mount", PackageDescription="12-Pin Quad Flat No-Lead, Body 3 x 3 mm, Height 0.8 mm", Packing="Tape and Reel", PartNumber=ACS711KEXLT-15AB-T, RoHS=TRUE, VCC Max="5.5 V", VCC Min="3 V"
U3 U11: library part CMP-019-00048-3, "2.7-V to 40-V 152-mΩ 1.8-A eFuse with output power limiting 10-VSON -40 to 125"
U4: library part CMP-010-00029-4, "6-axis IMU with extended temperature range and high VRE performance"
U5: library part CMP-2000-05251-1, "Barometric Pressure Sensor, with Stainless Steel Cap, 1.8 to 3.6 V, -45 to 85 degC, 8-Pin QFN, RoHS, Tape and Reel", Manufacturer="Measurement Specialties", Operating Pressure Max=1200mbar, Operating Pressure Min=10mbar, Operating Temperature Max=85degC, Operating Temperature Min=-40degC, Package Description="8-Pin Surface Mount Device, Body 5 x 3 mm, Pitch 1.25 mm", Package Reference=MS561101BA03-50-8, Sensor Case Style=QFN, Supply Current=12.5µA, Supply Voltage Max=3.6V, Supply Voltage Min=1.8V, Connection Size=0.5mm, Datasheet URL=http://www.te.com/commerce/DocumentDelivery/DDEController?Action=srchrtrv&DocNm=MS5611-01BA03&DocType=Data+Sheet&DocLang=English&DocFormat=pdf&PartCntxt=CAT-BLPS0036, Datasheet Version=Sep-15, Manufacturer URL=http://www.meas-spec.com/, No. of Pins=8, Pressure Type=Barometric, SVHC=NoSVHC(20-Jun-2013)
U6: library part CMP-0136-00652-1, "300 mA, Low Voltage, Low Quiescent Current LDO Regulator, 5-Pin SOT-23, Extended Temperature, Tape and Reel", Code_IPC=SOT23-5, DatasheetVersion="revA, Aug-2007", PackageDescription="5-Lead Plastic Small Outline Transistor (OT) [SOT-23]", PackageReference=SOT-23-OT5, PackageVersion="revBB, Aug-2009"
U7: library part CMP-015-00015-1, "Color Signal Decoder, CMOS", Max Operating Temperature=105°C, Min Operating Temperature=-40°C, Pins=32, RoHS Compliant=Yes
U8: library part CMP-12105-000107-1, "IC MCU 32BIT 128KB FLASH 100LQFP"
U9: library part CMP-04872-000178-1, "IC TRANSCEIVER 1/1 SOT23-8", Case/Package=SOT-23-8, Max Operating Temperature=125°C, Min Operating Temperature=-40°C, Data Rate=1Mbps, Lead Free="Lead Free", Mount="Surface Mount", Packaging="Tape and Reel", RoHS Compliant=Yes
U10: library part CMP-318-000000-2, "Automotive CAN FD transceiver with watchdog, bus diagnostics and partial networking via sele 14-SOT-23-THIN -40 to 150", Component Type=Standard, Design Item ID=CMP-015-00012-2, Pin Count=14, Source=TCAN1146DYYRQ1.SchLib
Y1: library part CMP-27762-014063-1, "Crystal 28.63636MHz ±20ppm (Tol) ±30ppm (Stability) 18pF FUND 50Ω 4-Pin SMD T/R", Case/Package=SMD/SMT, ESR (Equivalent Series Resistance)=50R, Frequency=28.63636MHz, Frequency Stability=30ppm, Frequency Tolerance=20ppm, Load Capacitance=18pF, Max Operating Temperature=85°C, Min Operating Temperature=-40°C, Operating Frequency="28.6 MHz", Package Quantity=1000, Height=1mm, Lead Free="Lead Free", Length=3.2mm, Mount="Surface Mount", Number of Pins=4, Packaging="Tape and Reel", Radiation Hardening=No, REACH SVHC=Yes, Series=ABM8G, Series Resistance=50R, Termination=SMD/SMT, Tolerance=20ppm, Width=2.5mm
Y2: library part CMP-2000-05733-3, "Crystal 25MHz ±20ppm (Tol) ±30ppm (Stability) 18pF FUND 60Ω 4-Pin SMD T/R", Case/Package=CSMD, ESR (Equivalent Series Resistance)=60R, Frequency=25MHz, Frequency Stability=30ppm, Frequency Tolerance=20ppm, Load Capacitance=18pF, Max Operating Temperature=85°C, Min Operating Temperature=-40°C, Operating Frequency="25 MHz", Package Quantity=1000, Depth=2.5mm, Height=0.039inch, Lead Free="Lead Free", Length=3.2mm, Mount="Surface Mount", Number of Pins=4, Packaging="Tape and Reel", Radiation Hardening=No, Series=ABM8G, Series Resistance=60R, Termination=SMD/SMT, Tolerance=20ppm, Width=0.098inch
Y3: library part CMP-40224-000006-1, "CRYSTAL 32.7680KHZ 12.5PF SMD", Frequency=32.768kHz, Load Capacitance=12.5pF, Manufacturer="ECS International", Package=ECX-1210, Temperature="-40°C to +85°C", Temperature Range High=+85°C, Temperature Range Low=-40°C, Tolerance=20ppm, Automotive=No, Category=Crys, ComponentLink2Description=Datasheet, ComponentLink2URL=https://ecsxtal.com/store/pdf/ECX-1210.pdf, Device Class L1="Passive Components", Device Class L2="Crystals / Oscillators", Device Class L3=Crystals, Digikey Description="CRYSTAL 32.7680KHZ 12.5PF SMD", ESR=90kΩ, Height=0.5mm, Lead Free=Yes, Manufacturer Part Number=ECS-.327-12.5-1210-TR, Octopart=https://octopart.com/ecs-.327-12.5-1210-tr-ecs+international-81221340, RoHS=TRUE, Series=ECX-1210

## Via types
v1: diameter 0.5, hole 0.3, Top Layer to Bottom Layer, tented both sides, 259 vias
v2: diameter 0.5, hole 0.3, Top Layer to Bottom Layer, 10 vias
v3: diameter 0.75, hole 0.5, Top Layer to Bottom Layer, tented both sides, 4 vias

## Nets (pads, with @x,y where several pads share a name; then routed paths per layer and width w, separated by ;. In a path a pad name is that pad's centre, name@x,y a point inside that pad or via, vN(x,y) a via of type N, cw(c..) or ccw(c..) an arc to the next point about the centre after c; other vN are vias at no path point)
3V3_OUT: C1.2 C2.2 C6.2 C7.2 C8.2 C10.2 C13.2 C25.2 C26.2 C35.2 C36.2 C37.2 C38.2 C39.2 C40.2 C47.2 C48.2 C51.1 C54.1 C56.2 C57.1 C58.1 FB1.1 J11.01 R8.2 R16.2 R19.2 R20.2 R31.2 R37.1 R38.1 R39.1 R44.2 R45.1 R51.2 R53.1 R55.1 R56.1 R57.1 R58.1 R59.2 R61.1 R62.2 R65.1 R66.2 R67.2 R74.1 R75.1 SD1.4 SW3.2 U1.12 U2.12 U3.10 U4.8 U4.11 U4.20 U5.1 U6.1 U7.2 U8.6 U8.11 U8.27 U8.50 U8.75 U8.100 U9.3 U10.5 | length 268.4
  Top Layer w0.2: v1(-12.25,-10.75) -12.25,-10.402 -12.2,-10.352 U1.12@-11.95,-10.352 ; v1(-8.75,-8.5) -8.75,-7.6 R8.2@-8.65,-7.5 ; v1(-4.25,-10.75) -4.25,-10.402 -4.2,-10.352 U2.12@-3.95,-10.352 ; v1(-1,-8.5) -1,-7.6 R16.2@-0.9,-7.5
  Top Layer w0.3: v1(-18,-12.75) -18,-12.768 -17.488,-13.28 U9.3@-17.488,-13.378 ; J11.01@-13.471,13.029 -13.281,13.361 -12.705,14.125 R59.2@-12.519,14.391 ; U8.75@-7.575,9 v1(-6.25,9) ; U8.50@-6,22.575 -6,21.054 -5.75,20.804 v1(-5.75,20.75) ; U7.2@-4.845,-0.75 v1(-3.25,-0.75) -3.222,-0.75 -2.7,-0.228 -2.7,0.7 -2.75,0.75 ; C7.2@-1.979,4 -2,4 -2.186,3.814 -2.186,3.792 -3,2.979 -3,1 -2.75,0.75 ; U4.20@-1.975,0.75 -2.75,0.75 ; U4.8@1.975,-0.75 2.75,-0.75 C6.2@3.314,-1.314 ; U4.11@1.975,0.75 2.75,0.75 3.5,1.5 v1(3.521,1.5) ; U8.27@5.5,22.575 5.5,21.518 5.75,21.268 v1(5.75,21.25) ; v1(5.75,9.25) 5.75,9.196 6,8.946 U8.100@6,7.425 ; v1(5.75,11.5) U8.6@7.575,11.5 ; v1(5.75,14) U8.11@7.575,14 ; U5.1@14.375,8.1 14.375,8.35 15.339,9.314 15.835,9.314 C10.2@16.021,9.5 16.021,8.283 16.25,8.054 v1(16.25,8)
  Top Layer w0.5: v1(1.25,9.75) 1.25,10.05 2.7,11.5 v1(5.75,11.5)
  PWR w0.3: J11.01@-13.471,13.029 -13.454,13.046 -3.546,13.046 -1.2,10.7 1.1,10.7 ; v1(-9.979,21.5) -9.229,20.75 v1(-5.75,20.75) -2.038,17.038 ; v1(-6.25,9) -6.25,8.974 -6,8.724 -6,7.25 ; v1(16.25,8) 16.579,7.671 18.756,7.671 19.079,7.994 19.079,8.521 17.7,9.9 17.7,13.3 16.763,14.237 16.538,14.237 v1(16.5,14.275)
  PWR w0.5: v1(-18,-12.75) -15.25,-10 -15.25,0.75 ; v1(-12.25,-10.75) -10,-8.5 v1(-8.75,-8.5) -6.5,-8.5 v1(-4.25,-10.75) -2,-8.5 v1(-1,-8.5) ; v1(-1.75,17) -1,17.75 0.75,17.75 v1(1.25,18.25) ; v1(5.75,11.5) 12.75,11.5 v1(16.25,8)
  PWR w0.9: v1(-1.75,17) -1.75,15 1.1,12.15 1.1,10.7 1.1,8.3
  PWR w1: v1(-12.5,1.25) v1(-13.5,1.25) -14.75,1.25 -15.25,0.75 -16.414,0.75 -17,1.336 -17,4.5 -14.25,7.25 -6,7.25 0.05,7.25 1.1,8.3
  GND w0.3: v1(3.521,-1.5) v1(3.521,1.5) ; v1(5.75,14) 5,14.75 5,20.5 v1(5.75,21.25)
  GND w0.5: v1(-3.25,-0.75) -2.5,-0.75 -0.5,1.25 -0.2,1.25 ; v1(1.25,9.75) 1.25,8.25 -0.2,6.8 -0.2,1.25 ; v1(3.521,1.5) 3.271,1.25 -0.2,1.25 ; v1(5.75,9.25) v1(5.75,11.5) v1(5.75,14)
  GND w0.75: v1(-18,-12.75) -14.25,-12.75 v1(-12.25,-10.75)
  Bottom Layer w0.2: R55.1@-10.65,-4.25 R53.1@-10.65,-2.25
  Bottom Layer w0.3: U10.5@-16.172,13.681 -16.163,13.681 -15.73,14.114 -13.5,14.114 ; J11.01@-13.471,13.029 -13.471,14.086 -13.5,14.114 ; R55.1@-10.65,-4.25 -10.65,-4.325 -9.998,-4.977 -8.498,-4.977 -7.825,-5.65 R58.1@-7.75,-5.65 R56.1@-5.75,-5.65 -4.722,-5.65 -4.096,-5.023 -3.251,-5.023 -2.803,-4.575 -2.6,-4.575 -2.35,-4.325 R57.1@-2.35,-4.25 -2.35,-4.175 -1.075,-2.9 -0.825,-2.65 R44.2@-0.75,-2.65 R45.1@0.75,-2.65 2.371,-2.65 v1(3.521,-1.5) ; R61.1@-10,15.1 -10,13.75 -10.364,14.114 -13.5,14.114 ; v1(-6.25,9) -6.196,9 -5.784,8.588 -4.517,8.588 -4.369,8.44 -4.369,8.326 -4.043,8 C39.2@-4.021,8 C13.2@-4.021,6.5 -2.95,6.5 U6.1@-2.45,6 ; C25.2@-4.75,-1.271 C26.2@-3.25,-1.271 ; U6.1@-2.45,5.7 -2.3,5.85 -2.3,7.1 R51.2@-2.15,7.25 ; R38.1@-2.35,15.5 R65.1@-2.35,17 ; R39.1@-2.35,18.5 R65.1@-2.35,17 ; R37.1@-1.15,15.5 R74.1@-1.15,17 ; R75.1@-1.15,18.5 R74.1@-1.15,17 ; C58.1@-0.75,1.099 C57.1@0.75,1.099 1.401,1.099 2,0.5 2,0.021 v1(3.521,-1.5) ; v1(1.25,18.25) FB1.1@2.1,18.25 ; C47.2@4.25,11.521 5.729,11.521 v1(5.75,11.5) ; C35.2@4.25,14.021 5.729,14.021 v1(5.75,14) ; SD1.4@9.095,-2.05 8.845,-2.3 8.845,-3.024 8.669,-3.2 5.221,-3.2 v1(3.521,-1.5) ; R62.2@12.6,17 12.6,16.925 14.025,15.5 R66.2@15.35,15.5 ; R67.2@15.35,17 R66.2@15.35,15.5 ; v1(16.25,8) 17.322,8 17.98,8.658 17.98,10.055 18.85,10.925 R20.2@18.85,11 ; R19.2@17.35,14 17.35,14.025 17.1,14.275 v1(16.5,14.275) 15.35,15.425 R66.2@15.35,15.5 ; R65.1@-2.35,17 v1(-1.75,17) R74.1@-1.15,17
5V: C52.1 D3.1 F3.2 F4.2 LS1.P R27.2 U10.3 U11.10 | length 90.9
  PWR w0.5: v1(-13.5,5.25) -0.25,5.25 v1(0.5,6)
  GND w0.3: v1(-15.368,15.962) -15.368,14.604 -17.75,12.222 -17.75,11.55 -17.4,11.2 -17.4,8 -14.65,5.25
  GND w0.5: v3(7,3) 7,4.5 v1(8.5,6)
  GND w1: v1(-13.5,5.25) -14.65,5.25 -16.15,5.25 -17.5,3.9 -17.5,-10.8 -19.001,-12.301 -19.001,-13.13 -18.405,-13.727 -15.023,-13.727 -12,-16.75 v3(-7,-16.75) v3(-1,-16.75)
  Bottom Layer w0.2: D3.1@8.5,9.5 8.85,9.85 R27.2@8.85,12
  Bottom Layer w0.3: U10.3@-16.971,14.283 -16.971,14.356 -15.368,15.959 v1(-15.368,15.962)
  Bottom Layer w0.5: v1(0.5,6) 0.5,5.5 0.8,5.2 4.8,5.2 v3(7,3) ; v1(8.5,6) D3.1@8.5,9.5
  Bottom Layer w1: v3(-7,-16.75) F3.2@-7,-15.85 ; v3(-1,-16.75) F4.2@-1,-15.85